# Altium PCB WAB_1x4_PCB.PcbDoc (part 2 of 5)
Units mil, origin at the board's own origin, x right, y up, seen from the top; angles counter-clockwise.
Board outline 13210.03 x 3810.03 mil, 12 copper layers (Top Layer, Ground Plane 1 (GND), Inner Layer 1, Ground Plane 2 (GND), Inner Layer 2, Power Plane (+3.3V), Power Plane (+12V), Inner Layer 3, Ground Plane 3 (GND), Inner Layer 4, Ground Plane 4 (GND), Bottom Layer), stack 82.8 mil thick; 113 components, 354 nets, 1682 pads, 1796 vias.
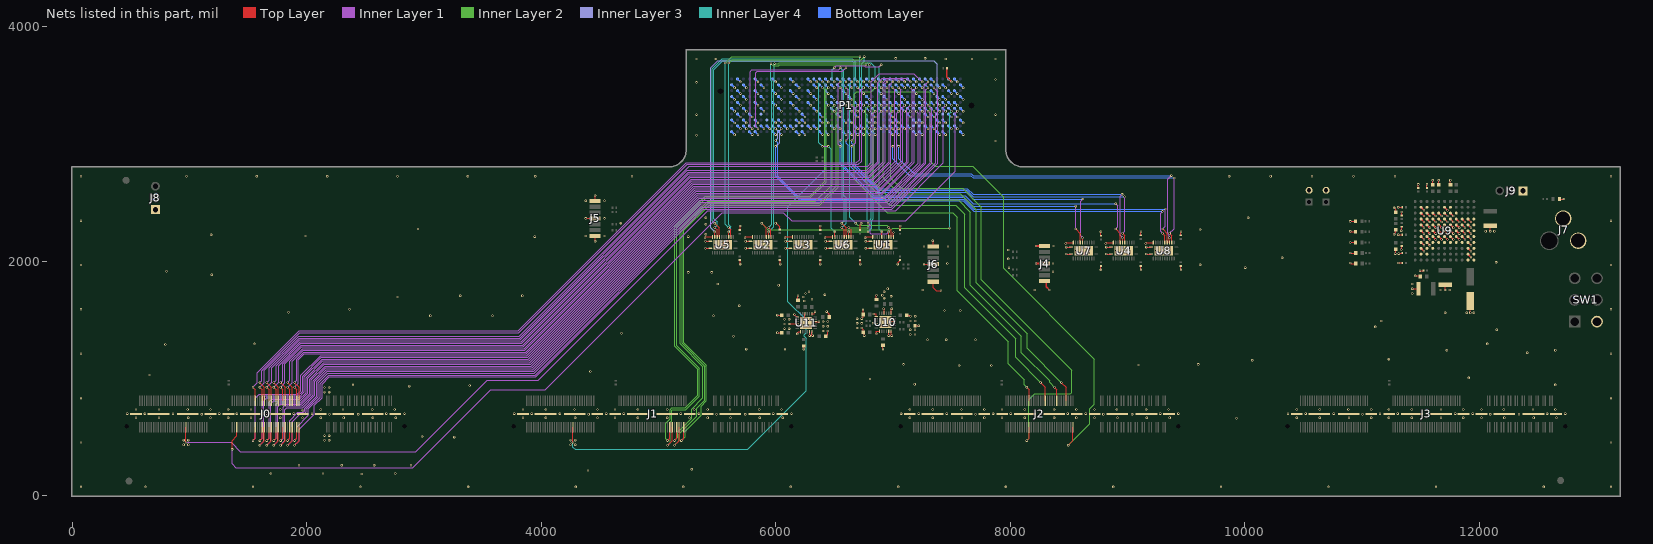
[diagram p12: the nets of this part, all layers, seen from the top]

## Via types
v1: diameter 20, hole 10, Top Layer to Bottom Layer, tented both sides, 1766 vias
v2: diameter 250, hole 125, Top Layer to Bottom Layer, 20 vias
v3: diameter 57.09, hole 53.15, Top Layer to Bottom Layer, 6 vias
v4: diameter 20, hole 10, Top Layer to Bottom Layer, tented bottom, 2 vias
v5: diameter 140, hole 106.3, Top Layer to Bottom Layer, 2 vias

## Nets (pads, with @x,y where several pads share a name; then routed paths per layer and width w, separated by ;. In a path a pad name is that pad's centre, name@x,y a point inside that pad or via, vN(x,y) a via of type N, cw(c..) or ccw(c..) an arc to the next point about the centre after c; other vN are vias at no path point) (continued)
DP5_M2C_N: P1.A19 U5.3 | length 3382.5
  Top Layer w4.71: v1(5599.21,2287.09) 5618.9,2267.4 U5.3@5618.9,2207.91
  Inner Layer 2 w4.16: v1(5570,3690) 5625,3745 v1(6718.77,3745)
  Inner Layer 4 w4.16: v1(5570,3690) 5570,2316.3 v1(5599.21,2287.09) ; v1(6700,3079.53) 6718.77,3098.3 v1(6718.77,3745)
  Bottom Layer w4.71: P1.A19@6675,3104.53 v1(6700,3079.53)
DP5_M2C_P: P1.A18 U5.4 | length 3390.7
  Top Layer w4.71: U5.4@5599.21,2207.91 v1(5599.21,2250)
  Inner Layer 2 w4.16: v1(5600,3690) 5630,3720 6730,3720 v1(6755,3745)
  Inner Layer 4 w4.16: v1(5599.21,2250) 5599.21,2252.93 5616.29,2270.01 5616.29,2294.16 5600,2310.45 v1(5600,3690) ; v1(6750,3079.53) 6732.92,3096.61 6732.92,3682.92 6755,3705 v1(6755,3745)
  Bottom Layer w4.71: P1.A18@6725,3104.53 v1(6750,3079.53)
DP6_C2M_N: P1.B37 U6.5 | length 2791
  Top Layer w4.71: v1(6564.44,2324.17) 6603.81,2284.8 U6.5@6603.81,2207.91
  Inner Layer 1 w4.16: v1(5800,3129.53) 5782.92,3146.61 5782.92,3617.92 5797.92,3632.92 6536.83,3632.92 v1@6550,3646.1
  Inner Layer 4 w4.16: v1(6550,3650) 6567.08,3632.92 6567.08,2537.92 6585,2520 6585,2344.73 v1(6564.44,2324.17)
  Bottom Layer w4.71: P1.B37@5775,3154.53 v1(5800,3129.53)
DP6_C2M_P: P1.B36 U6.6 | length 2785.8
  Top Layer w4.71: v1(6564.44,2287.09) 6584.13,2267.4 U6.6@6584.13,2207.91
  Inner Layer 1 w4.16: v1(5850,3129.53) 5831.23,3148.3 5831.23,3606.23 5843.77,3618.77 6568.77,3618.77 v1(6600,3650)
  Inner Layer 4 w4.16: v1(6564.44,2287.09) 6600,2322.64 6600,2542.09 6582.92,2559.16 6582.92,3632.92 v1(6600,3650)
  Bottom Layer w4.71: P1.B36@5825,3154.53 v1(5850,3129.53)
DP6_M2C_N: P1.B17 U6.3 | length 1148.6
  Top Layer w4.71: v1(6623.5,2287.09) 6643.18,2267.4 U6.3@6643.18,2207.91
  Inner Layer 2 w4.16: v1(6623.5,2287.09) v1(6787.76,2287.09)
  Inner Layer 4 w4.16: v1(6787.76,2287.09) 6787.76,2300.02 6804.84,2317.1 6804.84,2354.84 6817.08,2367.08 6817.08,3112.45 v1(6800,3129.53)
  Bottom Layer w4.71: P1.B17@6775,3154.53 v1(6800,3129.53)
DP6_M2C_P: P1.B16 U6.4 | length 1147
  Top Layer w4.71: U6.4@6623.5,2207.91 v1(6623.5,2250)
  Inner Layer 2 w4.16: v1(6623.5,2250) v1(6787.76,2250)
  Inner Layer 4 w4.16: v1(6787.76,2250) 6818.99,2281.23 6818.99,2348.98 6831.23,2361.21 6831.23,3110.76 v1(6850,3129.53)
  Bottom Layer w4.71: P1.B16@6825,3154.53 v1(6850,3129.53)
DP7_C2M_N: P1.B33 U8.5 | length 4196.2
  Top Layer w4.71: v1(9300,2275) 9339.37,2235.63 U8.5@9339.37,2158.74
  Inner Layer 1 w4.16: v1(9300,2275) 9325,2300 v1(9325,2445)
  Inner Layer 3 w4.16: v1(6000,3029.53) 6017.08,3046.61 6017.08,3112.45 v1(6000,3129.53)
  Bottom Layer w4.71: P1.B33@5975,3154.53 v1(6000,3129.53) ; v1(6000,3029.53) 6019.36,3010.17 6019.36,2725.64 6215,2530 7605,2530 7690,2445 v1(9325,2445)
DP7_C2M_P: P1.B32 U8.6 | length 4173.4
  Top Layer w4.71: v1(9300,2237.91) 9319.68,2218.23 U8.6@9319.68,2158.74
  Inner Layer 1 w4.16: v1(9300,2237.91) 9282.92,2254.99 9282.92,2407.92 v1(9300,2425)
  Inner Layer 3 w4.16: v1(6000,2979.53) 6032.92,3012.45 6032.92,3112.45 v1(6050,3129.53)
  Bottom Layer w4.71: v1(6000,2979.53) 6000,2725 6210,2515 7600,2515 7690,2425 v1(9300,2425) ; P1.B32@6025,3154.53 v1(6050,3129.53)
DP7_M2C_N: P1.B13 U8.3 | length 3353.3
  Top Layer w4.71: v1@9359.06,2237.91 9378.74,2218.23 U8.3@9378.74,2158.74
  Inner Layer 1 w4.16: v1@9359.06,2237.91 9400,2278.86 v1(9400,2710)
  Inner Layer 3 w4.16: v1@7000,2975 7017.08,2992.08 7017.08,3112.45 v1(7000,3129.53)
  Bottom Layer w4.71: P1.B13@6975,3154.53 v1(7000,3129.53) ; v1(7000,2979.53) 7000,2875 7145,2730 7665,2730 7685,2710 v1(9400,2710)
  other v1: 9360.06,2237.91
DP7_M2C_P: P1.B12 U8.4 | length 3285.5
  Top Layer w4.71: U8.4@9359.06,2158.74 v1(9359.06,2200.83)
  Inner Layer 1 w4.16: v1(9359.06,2200.83) 9359.06,2213.76 9342.08,2230.74 9342.08,2697.08 v1(9375,2730)
  Inner Layer 3 w4.16: v1@7050,2975 7032.92,2992.08 7032.92,3112.45 v1(7050,3129.53)
  Bottom Layer w4.71: P1.B12@7025,3154.53 v1(7050,3129.53) ; v1(7050,2979.53) 7050,2875 7180,2745 7670,2745 7685,2730 v1(9375,2730)
DP8_C2M_N: P1.B29
DP8_C2M_P: P1.B28
DP8_M2C_N: P1.B9
DP8_M2C_P: P1.B8
DP9_C2M_N: P1.B25
DP9_C2M_P: P1.B24
DP9_M2C_N: P1.B5
DP9_M2C_P: P1.B4
GA0: P1.C34
GA1: P1.D35
GBTCLK0_M2C_N: P1.D5
GBTCLK0_M2C_P: P1.D4
GND: C1.2 C2.2 C3.2 C4.2 C5.2 C6.2 C7.2 C8.2 C9.2 C10.2 C11.2 C12.2 C13.2 C14.2 C15.2 C16.2 C29.1 C30.1 C31.1 C32.1 C33.2 C34.1 C35.2 C36.2 C37.2 C38.2 C39.2 C40.2 C41.2 C46.1 C47.1 C48.1 C49.1 C50.1 C51.1 C52.1 C53.1 C54.1 C55.1 C56.1 C57.1 C58.2 D1.2 D2.2 D3.2 D4.2 D5.2 D6.2 J0.161 J0.162 J0.163 J0.164 J0.165 J0.166 J0.167 J0.168 J0.169 J0.170 J0.171 J0.172 J1.161 J1.162 J1.163 J1.164 J1.165 J1.166 J1.167 J1.168 J1.169 J1.170 J1.171 J1.172 J2.161 J2.162 J2.163 J2.164 J2.165 J2.166 J2.167 J2.168 J2.169 J2.170 J2.171 J2.172 J3.161 J3.162 J3.163 J3.164 J3.165 J3.166 J3.167 J3.168 J3.169 J3.170 J3.171 J3.172 J4.1 J4.4 J4.7 J5.1 J5.4 J5.7 J6.1 J6.4 J6.7 J7.1 J8.1 J9.1 J10.2 J12.2 P1.A1 P1.A4 P1.A5 P1.A8 P1.A9 P1.A12 P1.A13 P1.A16 P1.A17 P1.A20 P1.A21 P1.A24 P1.A25 P1.A28 P1.A29 P1.A32 P1.A33 P1.A36 P1.A37 P1.A40 P1.B2 P1.B3 P1.B6 P1.B7 P1.B10 P1.B11 P1.B14 P1.B15 P1.B18 P1.B19 P1.B22 P1.B23 P1.B26 P1.B27 P1.B30 P1.B31 P1.B34 P1.B35 P1.B38 P1.B39 P1.C1 P1.C4 P1.C5 P1.C8 P1.C9 P1.C12 P1.C13 P1.C16 P1.C17 P1.C20 P1.C21 P1.C24 P1.C25 P1.C28 P1.C29 P1.C32 P1.C33 P1.C36 P1.C38 P1.C40 P1.D2 P1.D3 P1.D6 P1.D7 P1.D10 P1.D13 P1.D16 P1.D19 P1.D22 P1.D25 P1.D28 P1.D37 P1.D39 P1.E1 P1.E4 P1.E5 P1.E8 P1.E11 P1.E14 P1.E17 P1.E20 P1.E23 P1.E26 P1.E29 P1.E32 P1.E35 P1.E38 P1.E40 P1.F2 P1.F3 P1.F6 P1.F9 P1.F12 P1.F15 P1.F18 P1.F21 P1.F24 P1.F27 P1.F30 P1.F33 P1.F36 P1.F39 P1.G1 P1.G4 P1.G5 P1.G8 P1.G11 P1.G14 P1.G17 P1.G20 P1.G23 P1.G26 P1.G29 P1.G32 P1.G35 P1.G38 P1.G40 P1.H2 P1.H3 P1.H6 P1.H9 P1.H12 P1.H15 P1.H18 P1.H21 P1.H24 P1.H27 P1.H30 P1.H33 P1.H36 P1.H39 P1.J1 P1.J4 P1.J5 P1.J8 P1.J11 P1.J14 P1.J17 P1.J20 P1.J23 P1.J26 P1.J29 P1.J32 P1.J35 P1.J38 P1.J40 P1.K2 P1.K3 P1.K6 P1.K9 P1.K12 P1.K15 P1.K18 P1.K21 P1.K24 P1.K27 P1.K30 P1.K33 P1.K36 P1.K39 R12.1 R13.1 R14.1 R15.1 R16.1 R17.1 R18.1 R21.2 SW1.4 U1.2 U1.11 U1.12 U1.13 U1.25 U2.11 U2.12 U2.13 U2.25 U3.11 U3.12 U3.13 U3.25 U4.11 U4.12 U4.13 U4.25 U5.11 U5.12 U5.13 U5.25 U6.11 U6.12 U6.13 U6.25 U7.11 U7.12 U7.13 U7.25 U8.11 U8.12 U8.13 U8.25 U9.A1 U9.A2 U9.B1 U9.B2 U9.B9 U9.B10 U9.C1 U9.C2 U9.C8 U9.C9 U9.C10 U9.D1 U9.D2 U9.D3 U9.D4 U9.D5 U9.D6 U9.D7 U9.D8 U9.D9 U9.D10 U9.E1 U9.E2 U9.E3 U9.E4 U9.E5 U9.E6 U9.E7 U9.E8 U9.E9 U9.E10 U9.F1 U9.F2 U9.F3 U9.F4 U9.F5 U9.F6 U9.F7 U9.F8 U9.F9 U9.F10 U9.G1 U9.G2 U9.G3 U9.G4 U9.G5 U9.G6 U9.G7 U9.G8 U9.G9 U9.G10 U9.H1 U9.H2 U9.H3 U9.H4 U9.H5 U9.H6 U9.H7 U9.H8 U9.H9 U9.H10 U9.J4 U9.J5 U9.J6 U9.J7 U9.J8 U9.J9 U9.J10 U9.K5 U9.K6 U9.K9 U9.K10 U10.1 U10.4 U10.7 U10.11 U10.12 U10.16 U10.19 U10.22 U10.25 U11.1 U11.4 U11.7 U11.11 U11.12 U11.16 U11.19 U11.22 U11.25 | length 12366
  Top Layer w10: v1(4380,2365) J5.4@4459.37,2365 ; v1@4459.37,2170.63 J5.7@4459.37,2215 ; J5.1@4459.37,2515 v1@4459.37,2559.37 ; v1(5397.14,2200) 5405.06,2207.91 U5.11@5461.42,2207.91 ; v1(5402.14,2110.47) U5.13@5442.72,2110.47 ; v1(5402.14,2169.53) U5.12@5442.72,2169.53 ; v1(5697.14,1975) C10.2@5697.14,2009.25 ; C1.2@5697.14,2265.75 v1(5697.14,2300) ; v1(5738.57,2200) 5746.48,2207.91 U2.11@5802.85,2207.91 ; v1(5743.57,2110.47) U2.13@5784.15,2110.47 ; v1(5743.57,2169.53) U2.12@5784.15,2169.53 ; 6010,2320 6035,2295 C2.2@6035,2272.18 ; v1(6015,1390) C55.1@6052.44,1390 ; v1(6015,1540) C54.1@6052.44,1540 ; v1(6038.57,1975) C11.2@6038.57,2009.25 ; v1(6080,2200) 6087.91,2207.91 U3.11@6144.27,2207.91 ; v1(6085,2110.47) U3.13@6125.57,2110.47 ; v1(6085,2169.53) U3.12@6125.57,2169.53 ; v1(6115,1465) U11.4@6183.13,1465 ; v1(6160,1545) U11.1@6180.79,1524.21 ; v1(6185,1380) 6185,1386.27 6196.87,1398.13 U11.7@6210.79,1398.13 ; C52.1@6190,1667.56 v1(6190,1705) ; v1(6240,1250) C53.1@6240,1277.44 ; U11.25@6250.16,1484.84 U11.22@6250.16,1551.87 ; v1@6289.53,1365.47 U11.11@6289.53,1398.13 ; v1@6309.21,1365.79 U11.12@6309.21,1398.13 ; U11.19@6309.21,1551.87 6328.13,1551.87 6335,1558.73 v1(6335,1570) ; U11.16@6336.87,1484.84 v1@6369.84,1484.84 ; v1(6380,1975) C12.2@6380,2009.25 ; C3.2@6380,2265.75 v1(6380,2300) ; v1(6421.43,2200) 6429.34,2207.91 U6.11@6485.7,2207.91 ; v1(6426.43,2110.47) U6.13@6467,2110.47 ; v1(6426.43,2169.53) U6.12@6467,2169.53 ; C57.1@6427.56,1360 6444.84,1377.28 v1(6444.84,1405.16) ; v1(6435,1570) 6457.56,1547.44 C56.1@6457.56,1525 ; v1(6721.43,1975) C13.2@6721.43,2009.25 ; C4.2@6721.43,2265.75 6721.43,2316.9 v1(6728.71,2324.17) ; v1(6735,1430) 6747.44,1417.56 C48.1@6747.44,1395 ; v1(6735,1510) 6745,1520 v1(6745,1585) ; v1(6755,1365) C48.1@6755,1387.44 ; v1(6762.86,2200) 6770.77,2207.91 U1.11@6827.13,2207.91 ; v1(6767.86,2110.47) U1.13@6808.43,2110.47 ; v1(6767.86,2169.53) U1.12@6808.43,2169.53 ; v1(6830,1470) U10.4@6857.98,1470 ; v1(6835,1550) 6860,1550 6860,1531.08 U10.1@6858.13,1529.21 ; v1(6860,1380) 6860,1401.27 6861.87,1403.13 U10.7@6885.79,1403.13 ; C47.1@6860,1672.56 v1(6860,1710) ; v1(6915,1250) C46.1@6915,1282.44 ; v1(6920,1595) 6925.16,1589.84 U10.22@6925.16,1556.87 ; U10.25@6944.84,1489.84 U10.16@7011.87,1489.84 ; v1@6964.53,1365.47 U10.11@6964.53,1403.13 ; v1@6984.21,1365.79 U10.12@6984.21,1403.13 ; U10.19@6984.21,1556.87 6984.21,1589.21 v1(6990,1595) ; U1.2@7004.3,2207.91 v1@7004.3,2244.3 ; v1(7040,1975) 7040,1986.39 C14.2@7062.86,2009.25 ; C5.2@7062.86,2265.75 v1(7062.86,2300) ; C51.1@7117.56,1540 7140,1540 v1(7150,1530) ; C50.1@7187.56,1450 v1(7220,1450) ; v1(7265,1975) J6.4@7344.37,1975 ; v1(7340,2175) 7344.37,2170.63 J6.1@7344.37,2125 ; J6.7@7344.37,1825 7344.37,1775.63 7370,1750 v1(7410,1750) ; v1(8474.13,2150.83) 8482.04,2158.74 U7.11@8538.4,2158.74 ; v1(8479.13,2061.3) U7.13@8519.7,2061.3 ; v1(8479.13,2120.35) U7.12@8519.7,2120.35 ; v1(8774.13,1925.83) C15.2@8774.13,1960.08 ; C6.2@8774.13,2216.57 v1(8774.13,2250.83) ; v1(8815.56,2150.83) 8823.47,2158.74 U4.11@8879.83,2158.74 ; v1(8820.56,2061.3) U4.13@8861.13,2061.3 ; v1(8820.56,2120.35) U4.12@8861.13,2120.35 ; v1(9115.56,1925.83) C16.2@9115.56,1960.08 ; C7.2@9115.56,2216.57 v1(9115.56,2250.83) ; v1(9156.99,2150.83) 9164.9,2158.74 U8.11@9221.26,2158.74 ; v1(9161.99,2061.3) U8.13@9202.56,2061.3 ; v1(9161.99,2120.35) U8.12@9202.56,2120.35 ; v1(9456.99,1925.83) C9.2@9456.99,1960.08 ; C8.2@9456.99,2216.57 v1(9456.99,2250.83) ; v1(10900,1985) 10905,1980 D6.2@10947.44,1980 ; v1(10900,2070) D2.2@10947.44,2070 ; v1(10900,2160) D3.2@10945,2160 ; v1(10900,2255) 10905,2250 D4.2@10945,2250 ; v1(10900,2340) D5.2@10945,2340 ; v1(11275,2230) 11290,2245 R14.1@11290,2267.44 ; v1(11275,2455) 11290,2440 R15.1@11290,2417.56 ; v1@11290,2070 R13.1@11290,2102.44 ; v1(11310,1985) C34.1@11344.25,1985 ; v1(11310,2225) C31.1@11344.25,2225 ; v1(11310,2460) C30.1@11344.25,2460 ; v1(11315,2065) 11320,2070 C32.1@11344.25,2070 ; v1(11335,2260) 11340,2265 C37.2@11340,2294.25 ; v1@11340,2105 C36.2@11340,2129.25 ; C38.2@11340,2390.75 v1(11340,2420) ; v1(11430,1765) C33.2@11482.99,1765 ; v1(11455,1875) R12.1@11492.44,1875 ; C29.1@11480,2625.75 v1(11480,2655) ; v1(11495,1920) C35.2@11524.25,1920 ; C39.2@11555,2625.75 v1(11555,2655) ; R16.1@11605,2652.56 v1(11605,2690) ; R18.1@11655,2652.56 v1(11655,2690) ; v1(11710,1755) C41.2@11710,1797.99 ; R17.1@11755,2652.56 v1(11755,2690) ; v1(11925,1560) C40.2@11925,1661.65 ; v1(12095,2255) C58.2@12095,2302.99 ; D1.2@12685,2530 v1(12722.44,2530)
  Top Layer w14: R21.2@7460.75,3645 7460.75,3568.78 v1(7500,3529.53) ; v1(8220,1980) J4.4@8294.37,1980 ; v1(8220,2130) J4.1@8294.37,2130 ; J4.7@8294.37,1830 8307.5,1816.87 8307.5,1782.5 v1(8335,1755) ; U9.C10@11505,2110 v1(11530,2085) ; U9.D10@11505,2160 v1(11530,2135) ; U9.E10@11505,2210 v1(11530,2185) ; U9.F10@11505,2260 v1(11530,2235) ; U9.G10@11505,2310 v1(11530,2285) ; U9.H10@11505,2360 v1(11530,2335) ; U9.J10@11505,2410 v1(11530,2385) ; U9.K10@11505,2460 v1(11530,2435) ; U9.D9@11555,2160 v1(11580,2135) ; U9.E9@11555,2210 v1(11580,2185) ; U9.F9@11555,2260 v1(11580,2235) ; U9.G9@11555,2310 v1(11580,2285) ; U9.H9@11555,2360 v1(11580,2335) ; U9.J9@11555,2410 v1(11580,2385) ; U9.E8@11605,2210 v1(11630,2185) ; U9.F8@11605,2260 v1(11630,2235) ; U9.G8@11605,2310 v1(11630,2285) ; U9.H8@11605,2360 v1(11630,2335) ; U9.J8@11605,2410 v1(11630,2385) ; U9.E7@11655,2210 v1(11680,2185) ; U9.F7@11655,2260 v1(11680,2235) ; U9.G7@11655,2310 v1(11680,2285) ; U9.H7@11655,2360 v1(11680,2335) ; U9.J7@11655,2410 v1(11680,2385) ; U9.E6@11705,2210 v1(11730,2185) ; U9.F6@11705,2260 v1(11730,2235) ; U9.G6@11705,2310 v1(11730,2285) ; U9.H6@11705,2360 v1(11730,2335) ; U9.J6@11705,2410 v1(11730,2385) ; U9.K6@11705,2460 v1(11730,2435) ; U9.E5@11755,2210 v1(11780,2185) ; U9.F5@11755,2260 v1(11780,2235) ; U9.G5@11755,2310 v1(11780,2285) ; U9.H5@11755,2360 v1(11780,2335) ; U9.J5@11755,2410 v1(11780,2385) ; U9.E4@11805,2210 v1(11830,2185) ; U9.F4@11805,2260 v1(11830,2235) ; U9.G4@11805,2310 v1(11830,2285) ; U9.H4@11805,2360 v1(11830,2335) ; U9.E3@11855,2210 v1(11880,2185) ; U9.F3@11855,2260 v1(11880,2235) ; U9.G3@11855,2310 v1(11880,2285) ; U9.H3@11855,2360 v1(11880,2335) ; U9.B2@11905,2060 v1(11930,2035) ; U9.C2@11905,2110 v1(11930,2085) ; U9.D2@11905,2160 v1(11930,2135) ; U9.E2@11905,2210 v1(11930,2185) ; U9.F2@11905,2260 v1(11930,2235) ; U9.G2@11905,2310 v1(11930,2285) ; U9.H2@11905,2360 v1(11930,2335)
  Bottom Layer w14: P1.A40@5625,3104 v1(5650,3079) ; P1.C40@5625,3204 v1(5650,3179) ; P1.E40@5625,3304 v1(5650,3279) ; P1.G40@5625,3404 v1(5650,3379) ; P1.J40@5625,3504.53 v1@5650,3479.53 ; P1.B39@5675,3154.53 v1(5700,3129.53) ; P1.D39@5675,3254.53 v1(5700,3229.53) ; P1.F39@5675,3354.53 v1(5700,3329.53) ; P1.H39@5675,3454.53 v1(5700,3429.53) ; P1.K39@5675,3554.53 v1(5700,3529.53) ; P1.B38@5725,3154.53 v1(5750,3129.53) ; P1.C38@5725,3204.53 v1(5750,3179.53) ; P1.E38@5725,3304.53 v1(5750,3279.53) ; P1.G38@5725,3404.53 v1(5750,3379.53) ; P1.J38@5725,3504.53 v1(5750,3479.53) ; P1.A37@5775,3104.53 v1(5800,3079.53) ; P1.D37@5775,3254.53 v1(5800,3229.53) ; P1.A36@5825,3104.53 v1(5850,3079.53) ; P1.C36@5825,3204.53 v1(5850,3179.53) ; P1.F36@5825,3354.53 v1(5850,3329.53) ; P1.H36@5825,3454.53 v1(5850,3429.53) ; P1.K36@5825,3554.53 v1(5850,3529.53) ; P1.B35@5875,3154.53 v1(5900,3129.53) ; P1.E35@5875,3304.53 v1(5900,3279.53) ; P1.G35@5875,3404.53 v1(5900,3379.53) ; P1.J35@5875,3504.53 v1(5900,3479.53) ; P1.B34@5925,3154.53 v1(5950,3129.53) ; P1.A33@5975,3104.53 v1(6000,3079.53) ; P1.C33@5975,3204.53 v1(6000,3179.53) ; P1.F33@5975,3354.53 v1(6000,3329.53) ; P1.H33@5975,3454.53 v1(6000,3429.53) ; P1.K33@5975,3554.53 v1(6000,3529.53) ; P1.A32@6025,3104.53 v1(6050,3079.53) ; P1.C32@6025,3204.53 v1(6050,3179.53) ; P1.E32@6025,3304.53 v1(6050,3279.53) ; P1.G32@6025,3404.53 v1(6050,3379.53) ; P1.J32@6025,3504.53 v1(6050,3479.53) ; P1.B31@6075,3154.53 v1(6100,3129.53) ; P1.B30@6125,3154.53 v1(6150,3129.53) ; P1.F30@6125,3354.53 v1(6150,3329.53) ; P1.H30@6125,3454.53 v1(6150,3429.53) ; P1.K30@6125,3554.53 v1(6150,3529.53) ; P1.A29@6175,3104.53 v1(6200,3079.53) ; P1.C29@6175,3204.53 v1(6200,3179.53) ; P1.E29@6175,3304.53 v1(6200,3279.53) ; P1.G29@6175,3404.53 v1(6200,3379.53) ; P1.J29@6175,3504.53 v1(6200,3479.53) ; P1.A28@6225,3104.53 v1(6250,3079.53) ; P1.C28@6225,3204.53 v1(6250,3179.53) ; P1.D28@6225,3254.53 v1(6250,3229.53) ; P1.B27@6275,3154.53 v1(6300,3129.53) ; P1.F27@6275,3354.53 v1(6300,3329.53) ; P1.H27@6275,3454.53 v1(6300,3429.53) ; P1.K27@6275,3554.53 v1(6300,3529.53) ; P1.B26@6325,3154.53 v1(6350,3129.53) ; P1.E26@6325,3304.53 v1(6350,3279.53) ; P1.G26@6325,3404.53 v1(6350,3379.53) ; P1.J26@6325,3504.53 v1(6350,3479.53) ; P1.A25@6375,3104.53 v1(6400,3079.53) ; P1.C25@6375,3204.53 v1(6400,3179.53) ; P1.D25@6375,3254.53 v1(6400,3229.53) ; P1.A24@6425,3104.53 v1(6450,3079.53) ; P1.C24@6425,3204.53 v1(6450,3179.53) ; P1.F24@6425,3354.53 v1(6450,3329.53) ; P1.H24@6425,3454.53 v1(6450,3429.53) ; P1.K24@6425,3554.53 v1(6450,3529.53) ; P1.B23@6475,3154.53 v1(6500,3129.53) ; P1.E23@6475,3304.53 v1(6500,3279.53) ; P1.G23@6475,3404.53 v1(6500,3379.53) ; P1.J23@6475,3504.53 v1(6500,3479.53) ; P1.B22@6525,3154.53 v1(6550,3129.53) ; P1.D22@6525,3254.53 v1(6550,3229.53) ; P1.A21@6575,3104.53 v1(6600,3079.53) ; P1.C21@6575,3204.53 v1(6600,3179.53) ; P1.F21@6575,3354.53 v1(6600,3329.53) ; P1.H21@6575,3454.53 v1(6600,3429.53) ; P1.K21@6575,3554.53 v1(6600,3529.53) ; P1.A20@6625,3104.53 v1(6650,3079.53) ; P1.C20@6625,3204.53 v1(6650,3179.53) ; P1.E20@6625,3304.53 v1(6650,3279.53) ; P1.G20@6625,3404.53 v1(6650,3379.53) ; P1.J20@6625,3504.53 v1(6650,3479.53) ; P1.B19@6675,3154.53 v1(6700,3129.53) ; P1.D19@6675,3254.53 v1(6700,3229.53) ; P1.B18@6725,3154.53 v1(6750,3129.53) ; P1.F18@6725,3354.53 v1(6750,3329.53) ; P1.H18@6725,3454.53 v1(6750,3429.53) ; P1.K18@6725,3554.53 v1(6750,3529.53) ; P1.A17@6775,3104.53 v1(6800,3079.53) ; P1.C17@6775,3204.53 v1(6800,3179.53) ; P1.E17@6775,3304.53 v1(6800,3279.53) ; P1.G17@6775,3404.53 v1(6800,3379.53) ; P1.J17@6775,3504.53 v1(6800,3479.53) ; P1.A16@6825,3104.53 v1(6850,3079.53) ; P1.C16@6825,3204.53 v1(6850,3179.53) ; P1.D16@6825,3254.53 v1(6850,3229.53) ; P1.B15@6875,3154.53 v1(6900,3129.53) ; P1.F15@6875,3354.53 v1(6900,3329.53) ; P1.H15@6875,3454.53 v1(6900,3429.53) ; P1.K15@6875,3554.53 v1(6900,3529.53) ; P1.B14@6925,3154.53 v1(6950,3129.53) ; P1.E14@6925,3304.53 v1(6950,3279.53) ; P1.G14@6925,3404.53 v1(6950,3379.53) ; P1.J14@6925,3504.53 v1(6950,3479.53) ; P1.A13@6975,3104.53 v1(7000,3079.53) ; P1.C13@6975,3204.53 v1(7000,3179.53) ; P1.D13@6975,3254.53 v1(7000,3229.53) ; P1.A12@7025,3104.53 v1(7050,3079.53) ; P1.C12@7025,3204.53 v1(7050,3179.53) ; P1.F12@7025,3354.53 v1(7050,3329.53) ; P1.H12@7025,3454.53 v1(7050,3429.53) ; P1.K12@7025,3554.53 v1(7050,3529.53) ; P1.B11@7075,3154.53 v1(7100,3129.53) ; P1.E11@7075,3304.53 v1(7100,3279.53) ; P1.G11@7075,3404.53 v1(7100,3379.53) ; P1.J11@7075,3504.53 v1(7100,3479.53) ; P1.B10@7125,3154.53 v1(7150,3129.53) ; P1.D10@7125,3254.53 v1(7150,3229.53) ; P1.A9@7175,3104.53 v1(7200,3079.53) ; P1.C9@7175,3204.53 v1(7200,3179.53) ; P1.F9@7175,3354.53 v1(7200,3329.53) ; P1.H9@7175,3454.53 v1(7200,3429.53) ; P1.K9@7175,3554.53 v1(7200,3529.53) ; P1.A8@7225,3104.53 v1(7250,3079.53) ; P1.C8@7225,3204.53 v1(7250,3179.53) ; P1.E8@7225,3304.53 v1(7250,3279.53) ; P1.G8@7225,3404.53 v1(7250,3379.53) ; P1.J8@7225,3504.53 v1(7250,3479.53) ; P1.B7@7275,3154.53 v1(7300,3129.53) ; P1.D7@7275,3254.53 v1(7300,3229.53) ; P1.B6@7325,3154.53 v1(7350,3129.53) ; P1.D6@7325,3254.53 v1(7350,3229.53) ; P1.F6@7325,3354.53 v1(7350,3329.53) ; P1.H6@7325,3454.53 v1(7350,3429.53) ; P1.K6@7325,3554.53 v1(7350,3529.53) ; P1.A5@7375,3104.53 v1(7400,3079.53) ; P1.C5@7375,3204.53 v1(7400,3179.53) ; P1.E5@7375,3304.53 v1(7400,3279.53) ; P1.G5@7375,3404.53 v1(7400,3379.53) ; P1.J5@7375,3504.53 v1(7400,3479.53) ; P1.A4@7425,3104.53 v1(7450,3079.53) ; P1.C4@7425,3204.53 v1(7450,3179.53) ; P1.E4@7425,3304.53 v1(7450,3279.53) ; P1.G4@7425,3404.53 v1(7450,3379.53) ; P1.J4@7425,3504.53 v1(7450,3479.53) ; P1.B3@7475,3154.53 v1(7500,3129.53) ; P1.D3@7475,3254.53 v1(7500,3229.53) ; P1.F3@7475,3354.53 v1(7500,3329.53) ; P1.H3@7475,3454.53 v1(7500,3429.53) ; P1.K3@7475,3554.53 v1(7500,3529.53) ; P1.B2@7525,3154.53 v1(7550,3129.53) ; P1.D2@7525,3254.53 v1(7550,3229.53) ; P1.F2@7525,3354.53 v1(7550,3329.53) ; P1.H2@7525,3454.53 v1(7550,3429.53) ; P1.K2@7525,3554.53 v1(7550,3529.53) ; P1.A1@7575,3104.53 v1(7600,3079.53) ; P1.C1@7575,3204.53 v1(7600,3179.53) ; P1.E1@7575,3304.53 v1(7600,3279.53) ; P1.G1@7575,3404.53 v1(7600,3379.53) ; P1.J1@7575,3504.53 v1(7600,3479.53)
  other v1: 75,75 625,75 1542.31,75 2459.62,75 3376.92,75 4294.23,75 5211.54,75 6128.85,75 7046.15,75 7963.46,75 8880.77,75 9798.08,75 10715.38,75 11632.69,75 12550,75 13125,75 2470,185 1695,190 2140,190 2755,190 4400,215 5285,225 1935,260 2300,260 2575,260 2890,260 950.87,434 990.87,434 4250.87,434 4290.87,434 75,453.57 13125,453.57 2151.65,472.65 2191.65,472.65 950.87,474 990.87,474 4250.87,474 4290.87,474 3260,500 2985,505 2151.65,512.65 2191.65,512.65 9930,660 545,665 740,665 990,665 1180,665 1330,665 1525,665 1775,665 1965,665 2120,665 2315,665 2565,665 2760,665 3845,665 4040,665 4290,665 4480,665 4630,665 4825,665 5075,665 5265,665 5420,665 5615,665 5865,665 6060,665 7145,665 7340,665 7590,665 7780,665 7930,665 8125,665 8375,665 8565,665 8720,665 8915,665 9165,665 9360,665 10445,665 10640,665 10890,665 11080,665 11230,665 11425,665 11675,665 11865,665 12020,665 12215,665 12465,665 12660,665 1105,695 2195,695 2440,695 4405,695 5495,695 5740,695 7705,695 8795,695 9040,695 11005,695 12095,695 12340,695 470,700 620,700 860,700 1255,700 1405,700 1660,700 1890,700 2045,700 2680,700 2835,700 3770,700 3920,700 4160,700 4555,700 4705,700 5190,700 5345,700 5980,700 6135,700 7070,700 7220,700 7460,700 7855,700 8005,700 8260,700 8490,700 8645,700 9280,700 9435,700 10370,700 10520,700 10760,700 11155,700 11305,700 11550,700 11797,700 11945,700 12580,700 12735,700 4955,705 1965,730 545,735 740,735 985,735 1180,735 1330,735 1525,735 1775,735 2120,735 2310,735 2560,735 2750,735 3845,735 4040,735 4285,735 4480,735 4630,735 4825,735 5075,735 5305,735 5420,735 5610,735 5860,735 6050,735 7145,735 7340,735 7585,735 7780,735 7930,735 8125,735 8375,735 8565,735 8720,735 8910,735 9160,735 9350,735 10445,735 10640,735 10885,735 11080,735 11230,735 11425,735 11675,735 11865,735 12020,735 12210,735 12460,735 12650,735 75,832.14 13125,832.14 2151.65,883.35 2191.65,883.35 2151.65,923.35 2191.65,923.35 2875,935 3390,940 2395,945 12650,945 7185,950 6805,995 11910,1005 660,1030 4420,1060 7565,1110 7840,1110 9095,1115 7090,1120 9605,1120 10065,1155 11230,1165 75,1210.71 13125,1210.71 12410,1220 11725,1240 12650,1240 5750,1250 6080,1250 795,1290 1555,1295 12070,1295 7295,1330 7455,1330 7705,1330 5640,1360 6290,1365 6315,1365 6965,1365 6990,1365 7147.98,1375 7187.98,1375 4685,1385 6404.84,1405.16 7147.98,1415 7187.98,1415 12150,1415 6075,1425 6115,1425 6695,1430 11115,1440 6404.84,1445.16 6444.84,1445.16 6240,1455 6280,1455 6915,1460 6955,1460 6075,1465 6695,1470 6735,1470 6370,1485 6404.84,1485.16 6444.84,1485.16 7150,1490 7190,1490 11165,1490 6280,1495 6915,1500 6075,1505 6115,1505 6695,1510 7190,1530 3055,1535 3585,1535 5470,1535 11710,1560 11895,1560 11955,1560 1845,1565 7440,1580 7575,1580 75,1589.29 13125,1589.29 2365,1590 5690,1620 6245,1660 6310,1675 6925,1685 2775,1695 6235,1695 6985,1700 3310,1705 3840,1705 6910,1710 6420,1715 6255,1725 11430,1725 6285,1740 6925,1740 7255,1755 8210,1755 11670,1755 11750,1755 6955,1765 6025,1795 5505,1805 11430,1805 1190,1885 5255,1905 5455,1905 8365,1910 805,1915 7990,1945 10005,1945 75,1967.86 13125,1967.86 9620,1970 7465,1980 8365,1980 12145,1990 7985,2020 10320,2030 11285,2065 8617.14,2070.83 8676.2,2070.83 8958.57,2070.83 9017.63,2070.83 9300,2070.83 9359.06,2070.83 8558.09,2090.83 8899.52,2090.83 9240.94,2090.83 7985,2095 11335,2100 8617.14,2110.83 8676.2,2110.83 8958.57,2110.83 9017.63,2110.83 9300,2110.83 9359.06,2110.83 5540.16,2120 5599.21,2120 5881.59,2120 5940.64,2120 6223.01,2120 6282.07,2120 6564.44,2120 6623.5,2120 6905.87,2120 6964.93,2120 7265,2125 7470,2125 8370,2130 5481.1,2140 5822.53,2140 6163.96,2140 6505.39,2140 6846.82,2140 5540.16,2160 5599.21,2160 5881.59,2160 5940.64,2160 6223.01,2160 6282.07,2160 6564.44,2160 6623.5,2160 6905.87,2160 6964.93,2160 4460,2170 3945,2210 5255,2210 1990,2215 4380,2215 4540,2215 1185,2225 5405,2230 7005,2245 12055,2255 12130,2255 9620,2270 2950,2275 5405,2315 5999.7,2324.17 4680,2325 75,2346.43 13125,2346.43 4540,2365 5405,2370 10030,2370 4380,2515 4540,2515 4460,2560 75,2725 975,2725 1575,2725 2175,2725 2775,2725 3375,2725 3950,2725 4775,2725 9867.5,2725 10221.25,2725 10575,2725 10928.75,2725 11282.5,2725 13125,2725 7875,3025 5325,3075 5325,3250 7875,3250 5650,3479 5325,3525 7875,3550 5325,3725 5490,3725 7450,3725 7675,3725 7875,3725 7025,3730 7275,3730
HA00_CC_N: P1.F5 U5.10 | length 3823.4
  Top Layer w4.71: U5.10@5481.1,2207.91 v1(5481.1,2250)
  Inner Layer 3 w4.16: v1(5481.1,2250) 5445,2286.1 5445,3650 5505,3710 5570,3710 7305,3710 7350,3710 7380,3680 7380,3349.53 v1(7400,3329.53)
  Bottom Layer w4.71: P1.F5@7375,3354.53 v1(7400,3329.53)
HA00_CC_P: J0.120 P1.F4 | length 8173
  Top Layer w4.71: v1@970.87,460 J0.120@970.87,585.25
  Inner Layer 1 w4.16: v1(970.87,454) 1356,454 1435,375 2930,375 3540,985 3975,985 5420,2430 7022.95,2430 7431.23,2838.28 7431.23,3310.76 v1(7450,3329.53)
  Bottom Layer w4.71: P1.F4@7425,3354.53 v1(7450,3329.53)
HA01_CC_N: P1.E3 U2.5 | length 2800.3
  Top Layer w4.71: v1(5881.59,2324.17) 5920.96,2284.8 U2.5@5920.96,2207.91
  Inner Layer 2 w4.16: v1@5881.59,2321.99 5933.57,2270.01 6985.01,2270.01 6997.08,2282.08 v1(7482.92,2282.08)
  Inner Layer 4 w4.16: v1(7482.92,2282.08) 7482.92,3262.45 v1(7500,3279.53)
  Bottom Layer w4.71: P1.E3@7475,3304.53 v1(7500,3279.53)
HA01_CC_P: J0.96 P1.E2 | length 8172.2
  Top Layer w4.71: v1(1364.57,395.43) 1364.57,470 1403.94,509.37 J0.96@1403.94,585.25
  Inner Layer 1 w4.16: v1(1364.57,395.43) 1364.57,270.43 1395,240 2905,240 3570,905 4035,905 5545.42,2415.42 6065.82,2415.42 6137.07,2344.18 7109.18,2344.18 7532.92,2767.92 7532.92,3262.45 v1(7550,3279.53)
  Bottom Layer w4.71: P1.E2@7525,3304.53 v1(7550,3279.53)
HA02_N: J0.73 P1.K8 | length 7410.5
  Top Layer w4.71: v1(1600.79,925) 1620.47,905.32 J0.73@1620.47,810.75
  Inner Layer 1 w4.16: v1(1600.79,925) 1640,964.21 1640,1070.2 1931.25,1361.45 3813.55,1361.45 5262.94,2810.84 6785.85,2810.84 6817.08,2842.08 6817.08,3532.08 6885,3600 7179.53,3600 v1(7250,3529.53)
  Bottom Layer w4.71: P1.K8@7225,3554.53 v1(7250,3529.53)
HA02_P: J0.56 P1.K7 | length 7558.5
  Top Layer w4.71: v1(1777.95,470) 1797.64,489.69 J0.56@1797.64,585.25
  Inner Layer 1 w4.16: v1(1777.95,470) 1800,492.05 1800,755 1810.92,765.91 1961.04,765.91 2055,859.87 2055,982.26 2162.74,1090 3922.74,1090 5352.74,2520 6947.08,2520 7267.08,2840 7267.08,3496.61 v1(7300,3529.53)
  Bottom Layer w4.71: P1.K7@7275,3554.53 v1(7300,3529.53)
HA03_N: J0.54 P1.J7 | length 7587.1
  Top Layer w4.71: v1(1777.95,430) 1817.32,469.37 J0.54@1817.32,585.25
  Inner Layer 1 w4.16: v1(1777.95,430) 1815,467.05 1815,735 1831.76,751.76 1966.9,751.76 2070,854.86 2070,976.05 2168.95,1075 3928.95,1075 5358.95,2505 6952.1,2505 7281.23,2834.14 7281.23,3460.76 v1(7300,3479.53)
  Bottom Layer w4.71: P1.J7@7275,3504.53 v1(7300,3479.53)
HA03_P: J0.42 P1.J6 | length 7515.2
  Top Layer w4.71: v1(1896.06,430) 1935.43,469.37 J0.42@1935.43,585.25
  Inner Layer 1 w4.16: v1(1896.06,430) 1935.01,468.95 1935.01,565.86 2065.11,695.96 2065.11,769.89 2130.85,835.63 2130.85,950.85 2194.15,1014.15 3954.16,1014.15 5384.16,2444.16 6991.25,2444.16 7382.92,2835.83 7382.92,3446.61 v1(7350,3479.53)
  Bottom Layer w4.71: P1.J6@7325,3504.53 v1(7350,3479.53)
HA04_N: J0.60 P1.F8 | length 7466.3
  Top Layer w4.71: v1(1718.9,430) 1758.27,469.37 J0.60@1758.27,585.25
  Inner Layer 1 w4.16: v1(1718.9,430) 1755.01,466.11 1755.01,760.08 1775,780.07 1955.18,780.07 2040,864.89 2040,988.47 2156.53,1105 3916.53,1105 5346.53,2535 6937.96,2535 7231.23,2828.27 7231.23,3310.76 v1(7250,3329.53)
  Bottom Layer w4.71: P1.F8@7225,3354.53 v1(7250,3329.53)
HA04_P: J0.48 P1.F7 | length 7385.2
  Top Layer w4.71: v1(1837.01,430) 1876.38,469.37 J0.48@1876.38,585.25
  Inner Layer 1 w4.16: v1(1837.01,430) 1875.01,468 1875.01,630.01 1940.85,695.85 1975.01,695.85 1996.23,717.06 1996.23,741.05 2100,844.82 2100,963.62 2181.38,1045 3941.38,1045 5371.38,2475 6972.1,2475 7332.92,2835.83 7332.92,3296.61 v1(7300,3329.53)
  Bottom Layer w4.71: P1.F7@7275,3354.53 v1(7300,3329.53)
HA05_N: J0.50 P1.E7 | length 7240.5
  Top Layer w4.71: v1(1837.01,470) 1856.69,489.69 J0.50@1856.69,585.25
  Inner Layer 1 w4.16: v1(1837.01,470) 1855,487.99 1855,640 1925,710 1969.15,710 1982.08,722.93 1982.08,746.91 2085,849.84 2085,969.83 2175.17,1060 3935.17,1060 5365.17,2490 6967.08,2490 7317.08,2840 7317.08,3262.45 v1(7300,3279.53)
  Bottom Layer w4.71: P1.E7@7275,3304.53 v1(7300,3279.53)
HA05_P: J0.44 P1.E6 | length 7213.9
  Top Layer w4.71: v1(1896.06,470) 1915.75,489.69 J0.44@1915.75,585.25
  Inner Layer 1 w4.16: v1(1896.06,470) 1915,488.94 1915,585 2015.1,685.1 2015.1,739.9 2116.69,841.49 2116.69,956.71 2188.29,1028.31 3948.29,1028.31 5378.29,2458.31 6985.39,2458.31 7367.08,2840 7367.08,3262.45 v1(7350,3279.53)
  Bottom Layer w4.71: P1.E6@7325,3304.53 v1(7350,3279.53)
HA06_N: J0.61 P1.K11 | length 7110.6
  Top Layer w4.71: v1(1718.9,925) 1738.58,905.31 J0.61@1738.58,810.75
  Inner Layer 1 w4.16: v1(1718.9,925) 1760,966.1 1760,1110.13 1949.87,1300 3835.75,1300 5265.75,2730 6799.62,2730 6918.77,2849.14 6918.77,3522.45 6942.93,3546.61 7082.92,3546.61 v1(7100,3529.53)
  Bottom Layer w4.71: P1.K11@7075,3554.53 v1(7100,3529.53)
HA06_P: J0.67 P1.K10 | length 7220.5
  Top Layer w4.71: v1(1659.84,925) 1679.53,905.32 J0.67@1679.53,810.75
  Inner Layer 1 w4.16: v1(1659.84,925) 1701.82,966.98 1701.82,1091.98 1939.84,1330 3823.33,1330 5253.33,2760 6780.02,2760 6868.77,2848.75 6868.77,3522.45 6907.08,3560.76 7118.77,3560.76 v1(7150,3529.53)
  Bottom Layer w4.71: P1.K10@7125,3554.53 v1(7150,3529.53)
HA07_N: J0.68 P1.J10 | length 7545.9
  Top Layer w4.71: v1(1659.84,470) 1679.53,489.69 J0.68@1679.53,585.25
  Inner Layer 1 w4.16: v1(1659.84,470) 1680,490.16 1680,800 1702.54,822.54 1937.59,822.54 1995,879.95 1995,1007.11 2137.89,1150 3897.89,1150 5327.89,2580 6899.62,2580 7167.08,2847.45 7167.08,3462.45 v1(7150,3479.53)
  Bottom Layer w4.71: P1.J10@7125,3504.53 v1(7150,3479.53)
HA07_P: J0.66 P1.J9 | length 7634.1
  Top Layer w4.71: v1(1659.84,430) 1699.21,469.37 J0.66@1699.21,585.25
  Inner Layer 1 w4.16: v1(1659.84,430) 1695,465.16 1695,785 1718.38,808.38 1943.45,808.38 2010,874.93 2010,1000.9 2144.1,1135 3904.1,1135 5334.1,2565 6904.64,2565 7182.92,2843.28 7182.92,3462.45 v1(7200,3479.53)
  Bottom Layer w4.71: P1.J9@7175,3504.53 v1(7200,3479.53)
HA08_N: J0.80 P1.F11 | length 7453.1
  Top Layer w4.71: v1(1541.73,470) 1561.42,489.69 J0.80@1561.42,585.25
  Inner Layer 1 w4.16: v1(1541.73,470) 1560,488.27 1560,830 1595,865 1920,865 1950,895 1950,1025.75 2119.25,1195 3879.25,1195 5309.25,2625 6864.64,2625 7082.92,2843.28 7082.92,3312.45 v1(7100,3329.53)
  Bottom Layer w4.71: P1.F11@7075,3354.53 v1(7100,3329.53)
HA08_P: J0.74 P1.F10 | length 7437.4
  Top Layer w4.71: v1(1600.79,470) 1620.47,489.69 J0.74@1620.47,585.25
  Inner Layer 1 w4.16: v1(1600.79,470) 1620,489.21 1620,840.85 1630,850.85 1925.86,850.85 1965,889.98 1965,1019.54 2125.46,1180 3885.46,1180 5315.46,2610 6879.62,2610 7117.08,2847.45 7117.08,3296.61 v1(7150,3329.53)
  Bottom Layer w4.71: P1.F10@7125,3354.53 v1(7150,3329.53)
HA09_N: J0.72 P1.E10 | length 7459.7
  Top Layer w4.71: v1(1600.79,430) 1640.16,469.37 J0.72@1640.16,585.25
  Inner Layer 1 w4.16: v1(1600.79,430) 1635,464.21 1635,810 1661.69,836.69 1931.73,836.69 1980,884.96 1980,1013.33 2131.67,1165 3891.67,1165 5321.67,2595 6884.64,2595 7132.92,2843.28 7132.92,3262.45 v1(7150,3279.53)
  Bottom Layer w4.71: P1.E10@7125,3304.53 v1(7150,3279.53)
HA09_P: J0.62 P1.E9 | length 7333.9
  Top Layer w4.71: v1(1718.9,470) 1738.58,489.69 J0.62@1738.58,585.25
  Inner Layer 1 w4.16: v1(1718.9,470) 1740,491.1 1740,785 1749.23,794.22 1949.32,794.22 2025,869.91 2025,994.69 2150.31,1120 3910.31,1120 5340.31,2550 6932.94,2550 7217.08,2834.14 7217.08,3262.45 v1(7200,3279.53)
  Bottom Layer w4.71: P1.E9@7175,3304.53 v1(7200,3279.53)
HA10_N: J0.53 P1.K14 | length 6916
  Top Layer w4.71: v1(1777.95,965) 1817.32,925.63 J0.53@1817.32,810.75
  Inner Layer 1 w4.16: v1(1777.95,965) 1795,982.05 1795,1125.11 1954.89,1285 3841.97,1285 5271.97,2715 6804.64,2715 6932.92,2843.28 6932.92,3512.45 v1(6950,3529.53)
  Bottom Layer w4.71: P1.K14@6925,3554.53 v1(6950,3529.53)
HA10_P: J0.55 P1.K13 | length 6934.4
  Top Layer w4.71: v1(1777.95,925) 1797.64,905.32 J0.55@1797.64,810.75
  Inner Layer 1 w4.16: v1(1777.95,925) 1815,962.05 1815,1125.09 1959.06,1269.16 3848.53,1269.16 5278.53,2699.16 6818.78,2699.16 6968.77,2849.14 6968.77,3498.3 v1(7000,3529.53)
  Bottom Layer w4.71: P1.K13@6975,3554.53 v1(7000,3529.53)
HA11_N: J0.49 P1.J13 | length 6879.9
  Top Layer w4.71: v1(1837.01,925) 1856.69,905.32 J0.49@1856.69,810.75
  Inner Layer 1 w4.16: v1(1837.01,925) 1875,962.99 1875,1145.05 1969.95,1240 3860.61,1240 5290.61,2670 6839.62,2670 7017.08,2847.45 7017.08,3462.45 v1(7000,3479.53)
  Bottom Layer w4.71: P1.J13@6975,3504.53 v1(7000,3479.53)
HA11_P: J0.43 P1.J12 | length 6882
  Top Layer w4.71: v1(1896.06,925) 1915.75,905.31 J0.43@1915.75,810.75
  Inner Layer 1 w4.16: v1(1896.06,925) 1930,958.94 1930,1160.02 1979.98,1210 3873.03,1210 5303.03,2640 6859.62,2640 7067.08,2847.45 7067.08,3462.45 v1(7050,3479.53)
  Bottom Layer w4.71: P1.J12@7025,3504.53 v1(7050,3479.53)
HA12_N: J2.47 P1.F14 | length 3519.6
  Top Layer w4.71: v1(8437.01,965) 8476.38,925.63 J2.47@8476.38,810.75
  Inner Layer 2 w4.16: v1(6950,3329.53) 6918,3297.53 6918,2710.83 7052.99,2575.85 7576.5,2575.85 7711.69,2440.65 7711.69,1814.82 8145.85,1380.67 8145.85,1256.16 v1(8437.01,965)
  Bottom Layer w4.71: P1.F14@6925,3354.53 v1(6950,3329.53)
HA12_P: J2.80 P1.F13 | length 4308.4
  Top Layer w4.71: v1(8141.73,470) 8161.42,489.69 J2.80@8161.42,585.25
  Inner Layer 2 w4.16: v1(7000,3329.53) 6982.92,3312.45 6982.92,2708.36 7070.29,2620.98 7593.89,2620.98 7755,2459.87 7755,1840 8525,1070 8525,879.69 8513.24,867.92 8207.92,867.92 8158.81,818.81 8158.81,487.08 v1(8141.73,470)
  Bottom Layer w4.71: P1.F13@6975,3354.53 v1(7000,3329.53)
HA13_N: J0.47 P1.E13 | length 6668.1
  Top Layer w4.71: v1(1837.01,965) 1876.38,925.63 J0.47@1876.38,810.75
  Inner Layer 1 w4.16: v1(1837.01,965) 1855,982.99 1855,1145.07 1964.93,1255 3854.39,1255 5284.39,2685 6824.64,2685 6982.92,2843.28 6982.92,3262.45 v1(7000,3279.53)
  Bottom Layer w4.71: P1.E13@6975,3304.53 v1(7000,3279.53)
HA13_P: J0.41 P1.E12 | length 6670.2
  Top Layer w4.71: v1(1896.06,965) 1935.43,925.63 J0.41@1935.43,810.75
  Inner Layer 1 w4.16: v1(1896.06,965) 1915,983.94 1915,1165.04 1974.96,1225 3866.82,1225 5296.82,2655 6844.64,2655 7031.23,2841.59 7031.23,3260.76 v1(7050,3279.53)
  Bottom Layer w4.71: P1.E12@7025,3304.53 v1(7050,3279.53)
HA14_N: J2.79 P1.J16 | length 3796.6
  Top Layer w4.71: v1(8141.73,925) 8161.42,905.31 J2.79@8161.42,810.75
  Inner Layer 2 w4.16: v1(6850,3479.53) 6817.08,3446.61 6692.93,3446.61 6668.77,3422.45 6668.77,2698.9 6952.67,2415 7509.87,2415 7550.84,2374.03 7550.84,1748.2 7985,1314.04 7985,1125 8120,990 8120,946.73 v1(8141.73,925)
  Bottom Layer w4.71: P1.J16@6825,3504.53 v1(6850,3479.53)
HA14_P: J2.42 P1.J15 | length 4509
  Top Layer w4.71: v1(8496.06,430) 8535.43,469.37 J2.42@8535.43,585.25
  Inner Layer 2 w4.16: v1(6900,3479.53) 6932.92,3446.61 7307.07,3446.61 7318.77,3434.91 7318.77,2851.23 7359.16,2810.84 7679.14,2810.84 7944.16,2545.83 7944.16,1938.44 8719.16,1163.44 8719.16,779.14 8680,739.98 8680,613.94 v1(8496.06,430)
  Bottom Layer w4.71: P1.J15@6875,3504.53 v1(6900,3479.53)
HA15_N: J2.65 P1.F17 | length 3530.9
  Top Layer w4.71: v1(8259.84,965) 8299.21,925.63 J2.65@8299.21,810.75
  Inner Layer 2 w4.16: v1(6800,3329.53) 6768.77,3298.3 6768.77,2678.98 6971.9,2475.84 7535.08,2475.84 7611.69,2399.23 7611.69,1773.4 8045.84,1339.25 8045.84,1179 v1(8259.84,965)
  Bottom Layer w4.71: P1.F17@6775,3354.53 v1(6800,3329.53)
HA15_P: J2.55 P1.F16 | length 3544.9
  Top Layer w4.71: v1(8377.95,925) 8397.64,905.32 J2.55@8397.64,810.75
  Inner Layer 2 w4.16: v1(6850,3329.53) 6831.23,3310.76 6831.23,2678.77 6985,2525 7555.44,2525 7660.84,2419.59 7660.84,1793.76 8095,1359.61 8095,1220 8335.98,979.02 8335.98,966.98 v1(8377.95,925)
  Bottom Layer w4.71: P1.F16@6825,3354.53 v1(6850,3329.53)
HA16_N: J0.65 P1.E16 | length 6667.9
  Top Layer w4.71: v1(1659.84,965) 1699.21,925.63 J0.65@1699.21,810.75
  Inner Layer 1 w4.16: v1(1659.84,965) 1680,985.16 1680,1090.18 1934.82,1345 3817.11,1345 5247.11,2775 6775,2775 6832.92,2832.92 6832.92,3262.45 v1(6850,3279.53)
  Bottom Layer w4.71: P1.E16@6825,3304.53 v1(6850,3279.53)
HA16_P: J0.59 P1.E15 | length 6664.2
  Top Layer w4.71: v1(1718.9,965) 1758.27,925.63 J0.59@1758.27,810.75
  Inner Layer 1 w4.16: v1(1718.9,965) 1740,986.1 1740,1110.14 1944.86,1315 3829.54,1315 5259.54,2745 6785.04,2745 6882.92,2842.89 6882.92,3262.45 v1(6900,3279.53)
  Bottom Layer w4.71: P1.E15@6875,3304.53 v1(6900,3279.53)
HA17_CC_N: P1.K17 U2.4 | length 2498.1
  Top Layer w4.71: U2.4@5940.64,2207.91 v1(5940.64,2250)
  Inner Layer 2 w4.16: v1(5990,3685) 6025,3685 6032.08,3692.08 6782.92,3692.08 v1(6800,3675)
  Inner Layer 4 w4.16: v1(5940.64,2250) 5981.92,2292.28 5981.92,3536.6 5990,3544.68 v1(5990,3685) ; v1(6800,3529.53) v1(6800,3675)
  Bottom Layer w4.71: P1.K17@6775,3554.53 v1(6800,3529.53)
HA17_CC_P: P1.K16 U2.3 | length 2584.8
  Top Layer w4.71: v1(5940.64,2287.09) 5960.33,2267.4 U2.3@5960.33,2207.91
  Inner Layer 2 w4.16: v1(5960,3685) 5980,3665 6025.02,3665 6035.02,3675 v1(6770,3675)
  Inner Layer 4 w4.16: v1(5940.64,2287.09) 5967.08,2313.52 5967.08,3536.6 5960,3543.68 v1(5960,3685) ; v1(6770,3675) 6787.08,3692.08 6812.92,3692.08 6850,3655 v1(6850,3529.53)
  Bottom Layer w4.71: P1.K16@6825,3554.53 v1(6850,3529.53)
HA18_N: J0.79 P1.J19 | length 6808
  Top Layer w4.71: v1(1541.73,925) 1561.42,905.31 J0.79@1561.42,810.75
  Inner Layer 1 w4.16: v1(1541.73,925) 1580,963.27 1580,1050.24 1934.76,1405 3804.98,1405 5239.14,2839.16 6689.16,2839.16 6717.08,2867.08 6717.08,3462.45 v1(6700,3479.53)
  Bottom Layer w4.71: P1.J19@6675,3504.53 v1(6700,3479.53)
HA18_P: J0.71 P1.J18 | length 6804.1
  Top Layer w4.71: v1(1600.79,965) 1640.16,925.63 J0.71@1640.16,810.75
  Inner Layer 1 w4.16: v1(1600.79,965) 1615,979.21 1615,1065.22 1939.78,1390 3810,1390 5245,2825 6705,2825 6732.92,2852.92 6732.92,3462.45 v1(6750,3479.53)
  Bottom Layer w4.71: P1.J18@6725,3504.53 v1(6750,3479.53)
HA19_N: P1.F20 U4.7 | length 3378.1
  Top Layer w4.71: U4.7@8958.57,2158.74 v1(8958.57,2200.83)
  Inner Layer 1 w4.16: v1(6650,3029.53) 6667.08,3046.61 6667.08,3312.45 v1(6650,3329.53) ; v1(8955,2570) 8940,2555 8940,2219.4 v1(8958.57,2200.83)
  Bottom Layer w4.71: P1.F20@6625,3354.53 v1(6650,3329.53) ; v1(6650,3029.53) 6650,3006.9 6669.36,2987.55 6669.36,2825.64 6875,2620 7635,2620 7685,2570 v1(8955,2570)
HA19_P: P1.F19 U4.6 | length 3406.3
  Top Layer w4.71: v1(8958.57,2237.91) 8978.26,2218.23 U4.6@8978.26,2158.74
  Inner Layer 1 w4.16: v1(6650,2979.53) 6681.23,3010.76 6681.23,3310.76 v1(6700,3329.53) ; v1(8958.57,2237.91) 8975.65,2254.99 8975.65,2549.35 v1(8975,2550)
  Bottom Layer w4.71: v1(6650,2979.53) 6650,2825 6870,2605 7630,2605 7685,2550 v1(8975,2550) ; P1.F19@6675,3354.53 v1(6700,3329.53)
HA20_N: P1.E19 U5.9 | length 3147.4
  Top Layer w4.71: v1(5481.1,2287.09) 5500.79,2267.4 U5.9@5500.79,2207.91
  Inner Layer 4 w4.16: v1(5481.1,2287.09) 5500,2305.98 5500,2335 5474.16,2360.84 5474.16,3634.14 5550.86,3710.85 6649.14,3710.85 6668.77,3691.21 6668.77,3310.76 v1(6700,3279.53)
  Bottom Layer w4.71: P1.E19@6675,3304.53 v1(6700,3279.53)
HA20_P: P1.E18 U1.4 | length 1309.8
  Top Layer w4.71: U1.4@6964.93,2207.91 v1(6964.93,2250)
  Inner Layer 1 w4.16: v1(6787.76,2324.17) 6804.84,2307.1 6804.84,2239.84 6811.76,2232.92 6947.85,2232.92 v1(6964.93,2250)
  Inner Layer 4 w4.16: v1(6750,3279.53) 6782.92,3246.61 6782.92,2355 6787.92,2350 v1@6787.92,2324.33
  Bottom Layer w4.71: P1.E18@6725,3304.53 v1(6750,3279.53)
HA21_N: P1.K20 U1.3 | length 1654.8
  Top Layer w4.71: v1(6964.93,2287.09) 6984.61,2267.4 U1.3@6984.61,2207.91
  Inner Layer 2 w4.16: v1(6682.55,2324.17) 6701.73,2305 6947.01,2305 v1(6964.93,2287.09)
  Inner Layer 4 w4.16: v1(6650,3529.53) 6631.23,3510.76 6631.23,2375.49 v1(6682.55,2324.17)
  Bottom Layer w4.71: P1.K20@6625,3554.53 v1(6650,3529.53)
HA21_P: P1.K19 U5.8 | length 2936.8
  Top Layer w4.71: v1(5481.1,2324.17) 5520.47,2284.8 U5.8@5520.47,2207.91
  Inner Layer 4 w4.16: v1(5481.1,2324.17) 5460,2345.28 5460,3640 5545,3725 6655,3725 6682.92,3697.08 6682.92,3546.61 v1(6700,3529.53)
  Bottom Layer w4.71: P1.K19@6675,3554.53 v1(6700,3529.53)
HA22_N: P1.J22 U4.8 | length 3544.4
  Top Layer w4.71: v1(8899.52,2275) 8938.89,2235.63 U4.8@8938.89,2158.74
  Inner Layer 1 w4.16: v1(6550,3029.53) 6568.77,3048.3 6568.77,3460.76 v1(6550,3479.53) ; v1(8899.52,2275) 8917.08,2292.56 8917.08,2472.92 v1(8900,2490)
  Bottom Layer w4.71: P1.J22@6525,3504.53 v1(6550,3479.53) ; v1(6550,3029.53) 6550,3006.9 6569.36,2987.55 6569.36,2825.64 6835,2560 7615,2560 7685,2490 v1(8900,2490)
HA22_P: P1.J21 U7.7 | length 3221.1
  Top Layer w4.71: U7.7@8617.14,2158.74 v1(8617.14,2200.83)
  Inner Layer 1 w4.16: v1(6600,3029.53) 6617.08,3046.61 6617.08,3462.45 v1(6600,3479.53) ; v1(8617.14,2200.83) 8600.07,2217.9 8600.07,2510.07 v1(8620,2530)
  Bottom Layer w4.71: P1.J21@6575,3504.53 v1(6600,3479.53) ; v1(6600,3029.53) 6600,3006.9 6619.36,2987.55 6619.36,2825.64 6855,2590 7625,2590 7685,2530 v1(8620,2530)
HA23_N: P1.K23 U1.7 | length 2073
  Top Layer w4.71: U1.7@6905.87,2207.91 v1(6905.87,2250)
  Inner Layer 1 w4.16: v1(6500,3650) 6517.08,3667.08 6753.77,3667.08 6762.93,3657.92 6882.92,3657.92 v1(6900,3675)
  Inner Layer 4 w4.16: v1(6500,3529.53) 6482,3547.53 6482,3632 v1(6500,3650) ; v1(6900,3675) 6882.16,3657.15 6882.16,2273.72 v1(6905.87,2250)
  Bottom Layer w4.71: P1.K23@6475,3554.53 v1(6500,3529.53)
HA23_P: P1.K22 U7.8 | length 3239.4
  Top Layer w4.71: v1(8558.09,2275) 8597.46,2235.63 U7.8@8597.46,2158.74
  Inner Layer 1 w4.16: v1(6550,2979.53) 6532.92,2996.61 6532.92,3512.45 v1(6550,3529.53) ; v1(8558.09,2275) 8558.09,2468.09 v1(8560,2470)
  Bottom Layer w4.71: P1.K22@6525,3554.53 v1(6550,3529.53) ; v1(6550,2979.53) 6550,2825 6830,2545 7610,2545 7685,2470 v1(8560,2470)
HB00_CC_N: P1.K26 U6.10 | length 1450.6
  Top Layer w4.71: U6.10@6505.39,2207.91 v1(6505.39,2250)
  Inner Layer 1 w4.16: v1(6400,2979.53) v1(6450,2979.53)
  Inner Layer 4 w4.16: v1(6350,3529.53) 6367.08,3512.45 6367.08,3012.45 v1(6400,2979.53) ; v1(6450,2979.53) 6474.16,2955.37 6474.16,2281.23 v1(6505.39,2250)
  Bottom Layer w4.71: P1.K26@6325,3554.53 v1(6350,3529.53)
HB00_CC_P: J1.120 P1.K25 | length 5259.7
  Top Layer w4.71: v1@4270.87,460 J1.120@4270.87,585.25
  Inner Layer 4 w4.16: v1(4270.87,454) 4270.87,414.13 4290,395 5760,395 6260,895 6260,1340.85 6242.92,1357.93 6242.92,1372.07 6260,1389.15 6260,1500 6105,1655 6105,2463.12 6424.15,2782.27 6424.15,3505.38 v1(6400,3529.53)
  Bottom Layer w4.71: P1.K25@6375,3554.53 v1(6400,3529.53)
HB01_N: J1.56 P1.J25 | length 4495.7
  Top Layer w4.71: v1(5077.95,470) 5097.64,489.69 J1.56@5097.64,585.25
  Inner Layer 2 w4.16: v1(5077.95,470) 5060.87,487.08 5060.87,615.87 5100,655 5100,735 5114.16,749.15 5229.23,749.15 5335.78,855.7 5335.78,1079.35 5157.65,1257.48 5157.43,1257.48 5140,1274.91 5140,2294.35 5400.65,2555 6291.38,2555 6417.08,2680.7 6417.08,3462.45 v1(6400,3479.53)
  Bottom Layer w4.71: P1.J25@6375,3504.53 v1(6400,3479.53)
HB01_P: J1.54 P1.J24 | length 4574.9
  Top Layer w4.71: v1(5077.95,430) 5117.32,469.37 J1.54@5117.32,585.25
  Inner Layer 2 w4.16: v1(5077.95,430) 5100.85,452.89 5100.85,625.85 5114.16,639.15 5114.16,729.14 5120.02,735 5235.09,735 5349.93,849.84 5349.93,1085.21 5163.51,1271.64 5163.29,1271.64 5155,1279.93 5155,2288.14 5406.86,2540 6296.4,2540 6431.23,2674.84 6431.23,3460.76 v1(6450,3479.53)
  Bottom Layer w4.71: P1.J24@6425,3504.53 v1(6450,3479.53)
HB02_N: J1.50 P1.F23 | length 4283.4
  Top Layer w4.71: v1(5137.01,470) 5156.69,489.69 J1.50@5156.69,585.25
  Inner Layer 2 w4.16: v1(5137.01,470) 5164.83,497.82 5164.83,540.68 5285,660.85 5285,739.15 5380,834.15 5380,1099.95 5185,1294.95 5185,2275.71 5419.29,2510 6339.5,2510 6482.92,2653.43 6482.92,3312.45 v1(6500,3329.53)
  Bottom Layer w4.71: P1.F23@6475,3354.53 v1(6500,3329.53)
HB02_P: J1.48 P1.F22 | length 4405
  Top Layer w4.71: v1(5137.01,430) 5176.38,469.37 J1.48@5176.38,585.25
  Inner Layer 2 w4.16: v1(5137.01,430) 5178.98,471.98 5178.98,528.98 5327.92,677.92 5327.92,747.94 5394.16,814.17 5394.16,1105.81 5201.48,1298.49 5201.48,2268.89 5426.11,2493.52 6371.32,2493.52 6517.08,2639.28 6517.08,3296.61 v1(6550,3329.53)
  Bottom Layer w4.71: P1.F22@6525,3354.53 v1(6550,3329.53)
HB03_N: J1.44 P1.E22 | length 4241
  Top Layer w4.71: v1(5196.06,470) 5215.75,489.69 J1.44@5215.75,585.25
  Inner Layer 2 w4.16: v1(5196.06,470) 5230,503.94 5230,550 5365,685 5365,765 5408.31,808.31 5408.31,1111.67 5217.32,1302.66 5217.32,2262.32 5432.68,2477.68 6377.89,2477.68 6532.92,2632.72 6532.92,3262.45 v1(6550,3279.53)
  Bottom Layer w4.71: P1.E22@6525,3304.53 v1(6550,3279.53)